# Altium PCB GateDriver_board_pcb.PcbDoc (part 2 of 3)
Units mm, origin at the board's own origin, x right, y up, seen from the top; angles counter-clockwise.
Board outline 138.05 x 67.4 mm, 2 copper layers (Top Layer, Bottom Layer), stack 1.671 mm thick; 340 components, 140 nets, 740 pads, 323 vias.
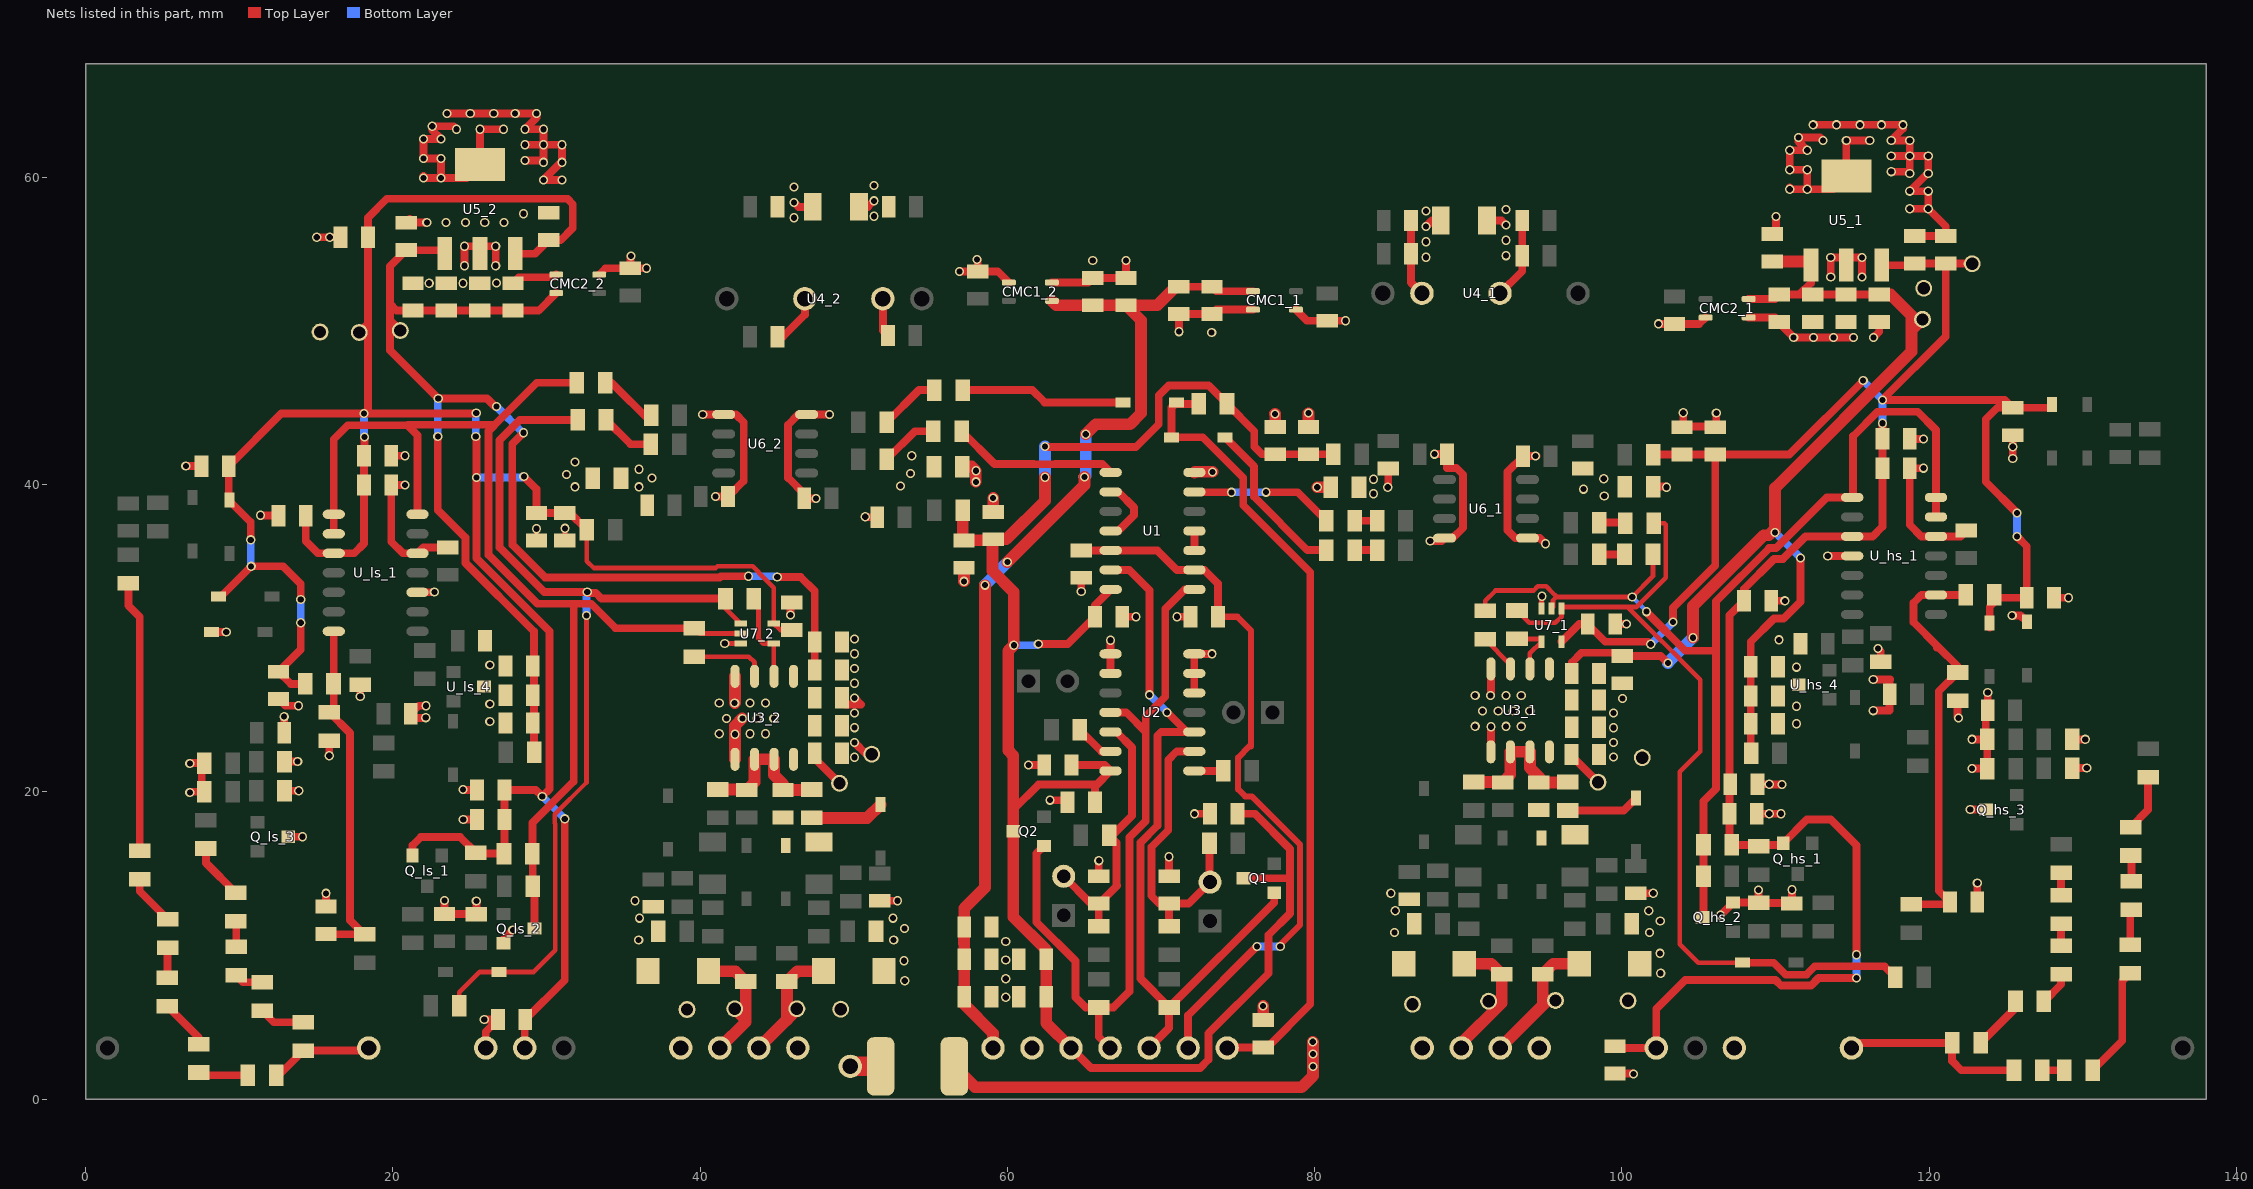
[diagram p2: the nets of this part, all layers, seen from the top]

## Footprints (in the part's own frame and the unit in brackets; to place one, negate y for a bottom-side part, rotate by r counter-clockwise, add the part's x,y. Pads: shape width x height; smd on the part's side, far side on the other; paste and mask are expansions set on the pad) (continued)
"SOIC 8" [mm] "SOIC 8-Leads"
  oval 1.5x0.6 smd: 1(-2.7,1.905) 2(-2.7,0.635) 3(-2.7,-0.635) 4(-2.7,-1.905) 5(2.7,-1.905) 6(2.7,-0.635) 7(2.7,0.635) 8(2.7,1.905)
  silkscreen extent -2.82,-2.45 1.55,2.88, body extent -3,-2.45 3,2.45, height 1.75
"SOIC 14" [mm] "SOIC 8-Leads"
  oval 1.45x0.6 smd: 1(-2.725,3.81) 2(-2.725,2.54) 3(-2.725,1.27) 4(-2.725,0) 5(-2.725,-1.27) 6(-2.725,-2.54) 7(-2.725,-3.81) 8(2.725,-3.81) 9(2.725,-2.54) 10(2.725,-1.27) 11(2.725,0) 12(2.725,1.27) 13(2.725,2.54) 14(2.725,3.81)
  silkscreen extent -2.85,-4.4 1.6,4.78, body extent -3,-4.4 3,4.4, height 1.75
SOT233-4 [mm] "SOT223, 4-Leads (including thermal pad)"
  rect 0.95x2.15 smd: 1(-2.3,-2.9) 2(0,-2.9) 3(2.3,-2.9)
  rect 3.25x2.15 smd: 2(0,2.9)
  silkscreen extent -3.45,-3.02 3.35,1.55, body extent -3.35,-3.5 3.35,3.5, height 1.7
SOT353 [mm] "SOT353, 5-Leads Pitch 0,65mm"
  rect 0.8x0.4 smd: 1(-1.075,0.65) 2(-1.075,0) 3(-1.075,-0.65) 4(1.075,-0.65) 5(1.075,0.65)
  silkscreen extent -1.2,-1.1 0.3,1.53, body extent -1.1,-1.1 1.1,1.1, height 1.1
"SOT 23" [mm] "SOT23, 3-Leads, Body 2.9x1.3mm, Pitch 0.95mm, Lead Span 2.4mm, IPC Medium Density"
  rect 0.9x0.8 smd: 1(-1,0.95) 2(-1,-0.95) 3(1,0)
  silkscreen extent -1.12,-1.46 0.65,2.02, body extent -1.17,-1.46 1.17,1.46, height 1
"Test point" [mm] "Test point pad, to measure with a scope probe without clipper"
  round 1.1 hole 0.8: 1(0,0)

## Part data
BD1: library part Bonding_pad, "Used to connect carry the currents  from the GND logic plane back to the -DC_link plane, which is originated by parasitic capacitive coupling between Halfbridge output and GND plane", PN=none
C1 C2 C3 C4 C5 C6 C7 C8 C9_1 C9_2 C10 C11 C12 C13 C14 C15 C17_1 C17_2 C18_1 C18_2 C19_1 C19_2 C20_1 C20_2 C21_1 C21_2 C22_1 C22_2 C23_1 C23_2 C24_1 C24_2 C25_1 C25_2 C26_1 C26_2 C27_1 C27_2 C28_1 C28_2 C29_1 C29_2 C30_1 C30_2 C31_1 C31_2 C32_1 C32_2 C33_1 C33_2 C34_1 C34_2 C35_1 C35_2 C36_1 C36_2 C37_1 C37_2 C38_1 C38_2 C39_1 C39_2 C40_1 C40_2 C42_1 C42_2 C43_1 C43_2 C44_1 C44_2 C45_1 C45_2 C46_1 C46_2 C47_1 C47_2 C48_1 C48_2 C49_1 C49_2 C_hs_1 C_hs_2 C_hs_3 C_hs_4 C_hs_5 C_hs_6 C_hs_7 C_hs_8 C_hs_9 C_hs_10 C_hs_11 C_hs_12 C_hs_13 C_hs_14 C_hs_15 C_hs_16 C_hs_17 C_hs_18 C_ls_1 C_ls_2 C_ls_3 C_ls_4 C_ls_5 C_ls_6 C_ls_7 C_ls_8 C_ls_9 C_ls_10 C_ls_11 C_ls_12 C_ls_13 C_ls_14 C_ls_15 C_ls_16 C_ls_17 C_ls_18: library part "Capacitor 0805", "SMD ceramic capacitor 0805", PN=undefined
  C8 C9_1 C9_2 C10 C11 C14 C15 C17_1 C17_2 C18_1 C18_2 C19_1 C19_2 C20_1 C20_2 C22_1 C22_2 C23_1 C23_2 C24_1 C24_2 C25_1 C25_2 C26_1 C26_2 C28_1 C28_2 C34_1 C34_2 C35_1 C35_2 C37_1 C37_2 C38_1 C38_2 C39_1 C39_2 C40_1 C40_2 C44_1 C44_2 C46_1 C46_2: ClassName=Direct_plane_connect
  C_hs_1 C_hs_2 C_hs_3 C_hs_13: ClassName=comparator_hs
  C_hs_4 C_hs_17: ClassName=overvoltage_circuitry_hs
  C_hs_5: ClassName=overtemperature_circuitry_hs
  C_hs_6 C_hs_14 C_hs_16: ClassName=memory_latch_hs
  C_hs_7 C_hs_12 C_hs_15: ClassName=overcurrent_circuitry_hs
  C_hs_8 C_hs_9 C_hs_10 C_hs_11: ClassName="voltage_ref_circuitry_hs, Direct_plane_connect"
  C_ls_1 C_ls_2 C_ls_3 C_ls_13: ClassName=comparator_ls
  C_ls_4 C_ls_17: ClassName=overvoltage_circuitry_ls
  C_ls_5: ClassName=overtemperature_circuitry_ls
  C_ls_6 C_ls_14 C_ls_16: ClassName=memory_latch_ls
  C_ls_7 C_ls_12 C_ls_15: ClassName=overcurrent_circuitry_ls
  C_ls_8 C_ls_9 C_ls_10 C_ls_11: ClassName="voltage_ref_circuitry_ls, Direct_plane_connect"
C1_1 C1_2: library part "Capacitor 1206", "SMD ceramic capacitor 1206", ClassName=Direct_plane_connect, PN=undefined
C50: library part "Y Capacitor", "High Voltage Capacitor to filter EMC from heatsink", PN="C1210C104KBRAC7800, C1812C104KDRAC7800"
CMC1_1 CMC1_2 CMC2_1 CMC2_2: "SMD Commom Mode Choke (2A 500 Ohm @ 1MHz or 1.5A 1 kOhm @ 1MHz)", ComponentLink2Description=Datasheet, ComponentLink2URL=http://www.we-online.de/katalog/media/pdf/744862180.pdf, PN="ACP3225-102-2P-T000, ACP3225-501-2P-T000"
D2 D3 D6_1 D6_2 D9_1 D9_2 D_hs_1 D_hs_2 D_hs_3 D_hs_4 D_hs_5 D_ls_1 D_ls_2 D_ls_3 D_ls_4 D_ls_5: "DIODE SCHOTTKY 100V 150MA SOD123", PN=BAT46ZFILM
  D_hs_1 D_hs_2: ClassName=overvoltage_circuitry_hs
  D_hs_3: ClassName=memory_latch_hs
  D_hs_4 D_hs_5: ClassName=overcurrent_circuitry_hs
  D_ls_1 D_ls_2: ClassName=overvoltage_circuitry_ls
  D_ls_3: ClassName=memory_latch_ls
  D_ls_4 D_ls_5: ClassName=overcurrent_circuitry_ls
D5_1 D5_2 D8_1 D8_2: "DIODE SCHOTTKY 40V 1A SOD123", ClassName=Direct_plane_connect, PN=1N5819HW-7-F
D7_1 D7_2 D10_1 D10_2: "TVS DIODE 20V 32.4V", ClassName=Direct_plane_connect, PN=824500201
D_HS D_LS EN ERROR G_HS_1 G_HS_2 G_LS_1 G_LS_2 GND_SENSE_HS GND_SENSE_LS IN_HS IN_LS PW_0 PW_5 PW_12 S_HS_1 S_HS_2 S_LS_1 S_LS_2 V_TEMP_HS V_TEMP_LS VCC_ISO_HS VCC_ISO_LS: "Interconection between gatedriver and main board", System=Connector
  S_HS_1 S_HS_2 S_LS_1 S_LS_2: ClassName=Direct_plane_connect
D_hs_6 D_ls_6: "DIODE ZENER 8.2V 500MW SOD123", PN=BZT52C8V2-7-F
  D_hs_6: ClassName=voltage_ref_circuitry_hs
  D_ls_6: ClassName=voltage_ref_circuitry_ls
FB1_1 FB1_2 FB2_1 FB2_2 FB3_1 FB3_2 FB4_1 FB4_2 FB5_1 FB5_2 FB6_1 FB6_2 FB7_1 FB7_2 FB8_1 FB8_2 FB9_1 FB9_2 FB10_1 FB10_2 FB11_1 FB11_2 FB12_1 FB12_2: library part Ferrite_bead, "Ferrite bead chip 0805", DC resistance=500mO, ComponentLink1Description=CIM21J252NE, ComponentLink1URL=http://www.samsungsem.com/kr/support/product-search/bead/__icsFiles/afieldfile/2014/11/13/S_CIM21J252NE.pdf, ComponentLink2Description=782853152, ComponentLink2URL=http://katalog.we-online.de/pbs/datasheet/782853152.pdf, ComponentLink3Description=742792097, ComponentLink3URL=http://katalog.we-online.de/pbs/datasheet/742792097.pdf, ComponentLink4Description=MMZ2012Y202BT000, ComponentLink4URL=https://product.tdk.com/info/en/catalog/datasheets/beads_commercial_signal_mmz2012_en.pdf, ComponentLink5Description=CIC21J601NE, ComponentLink5URL=http://www.samsungsem.com/kr/support/product-search/bead/__icsFiles/afieldfile/2014/11/13/S_CIC21J601NE.pdf, ComponentLink6Description=MI0805J102R-10, ComponentLink6URL=https://assets.lairdtech.com/home/brandworld/files/MI0805J102R-10.pdf, ComponentLink7Description=CIM21J202NE, ComponentLink7URL=http://www.samsungsem.com/kr/support/product-search/bead/__icsFiles/afieldfile/2014/11/13/S_CIM21J202NE.pdf, PN="CIM21J252NE; 782853152; 742792097; MMZ2012Y202BT000; CIC21J601NE;  MI0805J102R-10; CIM21J202NE;"
  FB7_1 FB7_2 FB8_1 FB8_2: ClassName=Direct_plane_connect
FIX1 FIX2: "Mount Hole, to interface MainBoard with GatedriverBoard or MainBoard with heatsink", PN=none
P1 P3 P4 P6: "Header 2.54mm 2 pins", PN=?
  P1: Jumper_text="Close to disable HS deadtime"
  P4: Jumper_text="Close to disable LS deadtime"
Q1 Q2 Q_hs_2 Q_ls_2: library part BC847BLT1G, "General Purpose Transistor, NPN Silicon, 3-Pin SOT-23, Pb-Free, Tape and Reel", PN=BC847BLT1G
  Q_hs_2: ClassName=memory_latch_hs
  Q_ls_2: ClassName=memory_latch_ls
Q_hs_1 Q_hs_3 Q_ls_1 Q_ls_3: library part BC857BLT1G, "General Purpose Transistor, PNP Silicon, 3-Pin SOT-23, Pb-Free, Tape and Reel", PN=BC857BLT1G
  Q_hs_1: ClassName=memory_latch_hs
  Q_hs_3: ClassName=overcurrent_circuitry_hs
  Q_ls_1: ClassName=memory_latch_ls
  Q_ls_3: ClassName=overcurrent_circuitry_ls
R1 R2 R3_1 R3_2 R4 R5 R6 R7 R8 R9_1 R9_2 R10 R11 R12_1 R12_2 R14_1 R14_2 R15_1 R15_2 R16_1 R16_2 R18_1 R18_2 R19_1 R19_2 R20_1 R20_2 R21_1 R21_2 R22_1 R22_2 R23_1 R23_2 R_hs_1 R_hs_2 R_hs_3 R_hs_4 R_hs_5 R_hs_6 R_hs_7 R_hs_8 R_hs_9 R_hs_10 R_hs_11 R_hs_12 R_hs_13 R_hs_14 R_hs_15 R_hs_16 R_hs_17 R_hs_18 R_hs_19 R_hs_20 R_hs_21 R_hs_22 R_hs_23 R_hs_24 R_hs_25 R_hs_26 R_hs_27 R_hs_28 R_hs_29 R_ls_1 R_ls_2 R_ls_3 R_ls_4 R_ls_5 R_ls_6 R_ls_7 R_ls_8 R_ls_9 R_ls_10 R_ls_11 R_ls_12 R_ls_13 R_ls_14 R_ls_15 R_ls_16 R_ls_17 R_ls_18 R_ls_19 R_ls_20 R_ls_21 R_ls_22 R_ls_23 R_ls_24 R_ls_25 R_ls_26 R_ls_27 R_ls_28 R_ls_29: "SMD resistor 0805", PN=undefined
  R12_1 R12_2 R14_1 R14_2 R15_1 R15_2 R16_1 R16_2 R19_1 R19_2: ClassName=Direct_plane_connect
  R_hs_1 R_hs_9 R_hs_10 R_hs_13 R_hs_14: ClassName=memory_latch_hs
  R_hs_2 R_hs_3 R_hs_4 R_hs_5 R_hs_6 R_hs_7 R_hs_8: ClassName=overvoltage_circuitry_hs
  R_hs_11: ClassName=overtemperature_circuitry_hs
  R_hs_15 R_hs_16 R_hs_17 R_hs_18 R_hs_19 R_hs_20 R_hs_21 R_hs_22 R_hs_23 R_hs_24 R_hs_26 R_hs_27 R_hs_28: ClassName=overcurrent_circuitry_hs
  R_hs_25: ClassName="voltage_ref_circuitry_hs, Direct_plane_connect"
  R_ls_1 R_ls_9 R_ls_10 R_ls_13 R_ls_14: ClassName=memory_latch_ls
  R_ls_2 R_ls_3 R_ls_4 R_ls_5 R_ls_6 R_ls_7 R_ls_8: ClassName=overvoltage_circuitry_ls
  R_ls_11: ClassName=overtemperature_circuitry_ls
  R_ls_15 R_ls_16 R_ls_17 R_ls_18 R_ls_19 R_ls_20 R_ls_21 R_ls_22 R_ls_23 R_ls_24 R_ls_26 R_ls_27 R_ls_28: ClassName=overcurrent_circuitry_ls
  R_ls_25: ClassName=voltage_ref_circuitry_ls
R13_1 R13_2 R17_1 R17_2: library part "Resistor 1206", "SMD resistor 1206", ClassName=Direct_plane_connect, PN=undefined
TP1_1 TP1_2 TP2_1 TP2_2 TP3_1 TP3_2 TP4_1 TP4_2 TP5_1 TP5_2 TP6_1 TP6_2 TP7_1 TP7_2 TP8_1 TP8_2 TP10_1 TP10_2: library part "Test point", "Test point to probe with oscilloscope"
  TP1_1 TP1_2: ClassName=Direct_plane_connect, Signal_name=12V
  TP2_1 TP2_2: ClassName=Direct_plane_connect, Signal_name=GND
  TP3_1 TP3_2: ClassName=Direct_plane_connect, Signal_name=G1
  TP4_1 TP4_2: ClassName=Direct_plane_connect, Signal_name=S1
  TP5_1 TP5_2: ClassName=Direct_plane_connect, Signal_name=G2
  TP6_1 TP6_2: ClassName=Direct_plane_connect, Signal_name=S2
  TP7_1 TP7_2: Signal_name=5V
  TP8_1 TP8_2: Signal_name=12V
  TP10_1 TP10_2: ClassName=Direct_plane_connect, Signal_name=0V
U1: "Quadruple 2-Input Positive-AND Gates", ComponentLink2Description=Datasheet, ComponentLink2URL=http://www.ti.com/lit/ds/symlink/sn74hc08.pdf, PN=MC74HC08ADG
U2: "Logic Quad 2-Input NOR Gates", ComponentLink2Description=Datasheet, ComponentLink2URL=http://www.ti.com/lit/ds/symlink/cd74hc02.pdf, PN=MC74HC02ADG
U3_1 U3_2: library part MCP14A0602, "MOSFET DRIVER 6A 8SOIC", ClassName=Direct_plane_connect, PN=MCP14A0602-E/SN
U4_1 U4_2: library part RE-1215S/P, "Isolated DC/DC converter 1W 12VIN 15VOUT", ComponentLink1Description=Datasheet, ComponentLink1URL=https://www.recom-power.com/pdf/Econoline/RE.pdf, PN=RE-1215S/P
U5_1 U5_2: library part UA78M05CDCYR, "IC REG LINEAR 5V 500MA SOT223-4", ComponentLink1Description=Datasheet, ComponentLink1URL=http://www.ti.com/general/docs/lit/getliterature.tsp?genericPartNumber=UA78L05A&fileType=pdf, ComponentLink2Description="Package Specification", ComponentLink2URL=http://www.ti.com/litv/pdf/msot002a, ComponentLink3Description="URL Link1", ComponentLink3URL="Samples URL:http://www.ti.com/product/ua78l05a", PN=UA78M05CDCY
U6_1 U6_2: "Digital Isolator 2.5KV, general purpose 8SOIC", ComponentLink1Description=Datasheet, ComponentLink1URL=https://media.digikey.com/pdf/Data%20Sheets/Silicon%20Laboratories%20PDFs/Si8410_20_21_Rev_1.5.pdf, PN=SI8621AB-B-IS
U7_1 U7_2: library part 74AHCT1G08, "Single AND gate, package SOT353", PN=74AHCT1G08
U_hs_1 U_ls_1: library part LM339, "Low Power Low Offset Voltage Quad Comparator, 14-pin Narrow SOIC", PN=LM339DT
  U_hs_1: ClassName=comparator_hs
  U_ls_1: ClassName=comparator_ls
U_hs_4 U_ls_4: "IC VREF SHUNT ADJ SOT23-3", ComponentLink1Description="Manufacturer URL", ComponentLink1URL=http://www.ti.com/, ComponentLink2Description=Datasheet, ComponentLink2URL=http://www.ti.com/general/docs/lit/getliterature.tsp?genericPartNumber=TL431A&fileType=pdf, Parameter 2=TL431A, PN=TL431AMFDT\,215
  U_hs_4: ClassName="voltage_ref_circuitry_hs, Direct_plane_connect"
  U_ls_4: ClassName=voltage_ref_circuitry_ls

## Via types
v1: diameter 0.6, hole 0.4, Top Layer to Bottom Layer, tented both sides, 323 vias

## Nets (pads, with @x,y where several pads share a name; then routed paths per layer and width w, separated by ;. In a path a pad name is that pad's centre, name@x,y a point inside that pad or via, vN(x,y) a via of type N, cw(c..) or ccw(c..) an arc to the next point about the centre after c; other vN are vias at no path point)
5V_1: C21_1.1 C32_1.1 C33_1.1 C48_1.1 C49_1.1 C_hs_1.1 C_hs_2.1 C_hs_3.1 C_hs_14.1 C_hs_15.1 C_hs_16.1 C_hs_17.1 C_hs_18.1 D_hs_1.2 D_hs_4.2 FB6_1.2 Q_hs_1.2 R_hs_1.2 R_hs_9.2 R_hs_26.2 TP7_1.1 U5_1.3 U7_1.5 U_hs_1.3 VCC_ISO_HS.1 | length 158.7
  Top Layer w0.508: U7_1.5@96.075,29.775 97.225,30.925 C21_1.1@97.785,30.925 97.785,30.913 98.926,29.773 101.709,29.773 v1(101.88,29.601) ; C_hs_18.1@99.55,3.44 99.665,3.325 VCC_ISO_HS.1@102.245,3.325 102.245,5.865 104.132,7.752 110,7.752 110.371,7.382 112.309,7.382 112.803,7.875 v1(115.281,7.875) ; FB6_1.2@102.047,41.951 C49_1.1@103.916,41.951 C48_1.1@106.075,41.951 ; v1(103.325,31.05) 103.325,31.975 106.075,34.725 C48_1.1@106.075,41.951 ; R_hs_9.2@108.909,16.45 R_hs_9.2@108.909,16.541 ; v1(115.275,9.395) 115.275,16.525 113.6,18.2 112.047,18.2 Q_hs_1.2@110.499,16.652 110.388,16.541 R_hs_9.2@108.909,16.541 ; v1(115.707,46.764) 110.894,41.951 C48_1.1@106.075,41.951 ; U5_1.3@116.926,54.292 116.948,54.27 C33_1.1@119.071,54.27 ; v1(116.959,43.986) C_hs_2.1@116.959,42.971 C_hs_3.1@116.959,41.066 116.959,37.255 116.325,36.621 U_hs_1.3@114.997,36.621 111.952,36.621 110.484,35.153 109.904,35.153 107.942,33.191 C_hs_1.1@107.942,32.43 107.003,31.491 C_hs_16.1@107.003,18.573 107.003,16.705 R_hs_1.2@107.167,16.541 R_hs_9.2@108.909,16.541 ; C33_1.1@119.071,54.397 C32_1.1@121.09,54.397 ; TP7_1.1@122.8,54.375 122.778,54.397 C32_1.1@121.09,54.397 ; D_hs_4.2@123.945,30.686 D_hs_4.2@123.945,30.995 123.945,32.049 124.525,32.629 C_hs_15.1@126.357,32.629 126.357,35.987 v1(125.723,36.621) ; v1(125.723,38.145) 123.691,40.177 123.691,44.241 124.443,44.993 C_hs_17.1@125.442,44.993 ; D_hs_1.2@128.009,45.219 127.783,44.993 C_hs_17.1@125.442,44.993 ; C32_1.1@121.09,54.397 121.09,49.641 v1(116.96,45.511) 124.924,45.511 C_hs_17.1@125.442,44.993
  Bottom Layer w0.508: v1(101.88,29.601) 101.891,29.601 103.325,31.035 v1(103.325,31.05) ; v1(115.275,9.395) 115.275,7.881 v1(115.281,7.875) ; v1(115.707,46.764) v1(116.96,45.511) ; v1(116.959,43.986) v1@116.959,45.51 ; v1(125.723,36.621) v1(125.723,38.145) ; v1@116.959,45.51 v1(116.96,45.511)
5V_2: C21_2.1 C32_2.1 C33_2.1 C48_2.1 C49_2.1 C_ls_1.1 C_ls_2.1 C_ls_3.1 C_ls_14.1 C_ls_15.1 C_ls_16.1 C_ls_17.1 C_ls_18.1 D_ls_1.2 D_ls_4.2 FB6_2.2 Q_ls_1.2 R_ls_1.2 R_ls_9.2 R_ls_26.2 TP7_2.1 U5_2.3 U7_2.5 U_ls_1.3 VCC_ISO_LS.1 | length 175.4
  Top Layer w0.305: FB6_2.2@32.625,37.05 32.625,35.017 33.075,34.567 41.022,34.567 41.138,34.682 43.424,34.682 43.808,34.298 43.808,34.265 44.8,33.273 U7_2.5@44.8,30.95 45.215,30.535 C21_2.1@45.975,30.535
  Top Layer w0.508: D_ls_4.2@8.645,32.725 8.825,32.725 v1(10.775,34.675) 12.85,34.675 14,33.525 v1(14,32.525) ; v1(10.75,36.4) 10.75,37.554 9.36,38.944 D_ls_1.2@9.36,38.992 9.315,39.037 C_ls_17.1@9.315,41.2 12.74,44.625 v1(18.125,44.625) ; v1(14.002,31.003) 14.002,29.257 C_ls_15.1@12.56,27.815 13.35,27.025 R_ls_26.2@14.285,27.025 ; C_ls_1.1@14.33,37.975 14.33,36.32 15.126,35.524 U_ls_1.3@16.154,35.524 17.482,35.524 18.116,36.158 C_ls_3.1@18.116,39.969 C_ls_2.1@18.116,41.874 18.15,41.908 v1(18.15,43.1) ; TP7_2.1@17.812,49.9 18.377,50.465 ; Q_ls_1.2@21.285,15.85 21.285,16.525 21.81,17.05 24.385,17.05 R_ls_9.2@25.41,16.025 25.46,15.975 R_ls_1.2@27.235,15.975 27.258,15.998 C_ls_14.1@27.258,18.2 C_ls_16.1@27.258,20.119 29.306,20.119 v1(29.725,19.7) 30.2,20.175 30.2,30.444 25.441,35.203 25.441,43.084 v1(25.4,43.125) ; v1@25.428,44.675 25.374,44.622 18.128,44.622 v1(18.125,44.625) ; U5_2.3@27.975,55.025 29.252,55.025 C33_2.1@30.137,55.91 30.922,55.91 31.712,56.7 31.712,58.25 31.365,58.597 19.609,58.597 18.377,57.365 C32_2.1@18.377,56.1 18.377,50.465 ; v1(28.525,40.525) 29.35,39.7 C48_2.1@29.35,38.14 31.13,38.14 31.2,38.21 31.465,38.21 FB6_2.2@32.625,37.05 ; VCC_ISO_LS.1@28.585,3.325 28.585,5.103 cw(c28.687,5.103) C_ls_18.1@28.615,5.175 28.625,5.175 31.19,7.74 v1(31.19,18.24) ; v1(18.125,44.625) 18.377,44.877 18.377,50.465
  Bottom Layer w0.508: v1(10.75,36.4) 10.75,34.7 v1(10.775,34.675) ; v1(14,32.525) 14.002,32.523 v1(14.002,31.003) ; v1(18.125,44.625) 18.125,43.125 v1(18.15,43.1) ; v1(25.4,43.125) 25.4,44.626 v1(25.428,44.654) ; v1(25.453,40.454) 28.454,40.454 v1(28.525,40.525) ; v1(29.725,19.7) 31.185,18.24 v1(31.19,18.24)
12V_iso: C9_2.1 C17_2.1 C18_2.1 C19_2.1 C20_2.1 C31_2.1 C37_2.1 C38_2.1 C39_2.1 C40_2.1 C_ls_8.1 C_ls_9.1 C_ls_10.1 CMC2_2.4 R_ls_25.2 TP1_2.1 TP8_2.1 U3_2.1 U3_2.8 U5_2.1 | length 94.9
  Top Layer w0.508: TP8_2.1@20.487,50.025 19.812,50.7 ; v1(22.927,43.129) 22.927,38.348 24.73,36.545 24.73,34.895 29.181,30.444 29.181,22.596 R_ls_25.2@29.206,22.571 ; U5_2.1@23.375,55.025 23.143,55.257 C31_2.1@20.862,55.257 19.812,54.207 19.812,51.75 ; v1(26.75,45.075) 26.65,45.075 26.125,45.6 v1(22.95,45.6) 19.812,48.738 19.812,50.7 ; v1(28.5,43.375) 27.768,42.643 27.768,40.211 27.789,40.19 27.789,36.071 29.903,33.957 41.275,33.957 41.344,34.027 v1(43.152,34.027) ; CMC2_2.4@30.634,52.465 29.489,51.32 C40_2.1@27.821,51.32 C39_2.1@25.652,51.32 C38_2.1@23.483,51.32 C37_2.1@21.314,51.32 20.242,51.32 19.812,51.75 ; v1(45.025,33.975) 46.55,33.975 47.46,33.065 C17_2.1@47.46,29.75 C20_2.1@47.46,27.925 ; C19_2.1@47.46,22.5 47.46,22.165 TP1_2.1@49.075,20.55 ; 19.812,50.7 19.812,51.75
  Bottom Layer w0.508: v1(22.927,43.129) 22.927,45.577 v1(22.95,45.6) ; v1(26.75,45.075) 28.45,43.375 v1(28.5,43.375) ; v1(43.152,34.027) 44.973,34.027 v1(45.025,33.975)
12V_iso_1: C9_1.1 C17_1.1 C18_1.1 C19_1.1 C20_1.1 C31_1.1 C37_1.1 C38_1.1 C39_1.1 C40_1.1 C_hs_8.1 C_hs_9.1 C_hs_10.1 CMC2_1.4 R_hs_25.2 TP1_1.1 TP8_1.1 U3_1.1 U3_1.8 U5_1.1 | length 73.5
  Top Layer w0.508: C17_1.1@96.725,22.425 96.725,22.35 TP1_1.1@98.45,20.625 ; C9_1.1@96.735,27.7 96.735,28.41 97.375,29.05 99.815,29.05 C18_1.1@100.025,28.84 102.535,28.84 v1(103,28.375) ; CMC2_1.4@108.253,52.077 109.962,52.077 C37_1.1@110.252,52.367 111.566,52.367 ; R_hs_25.2@108.415,22.524 108.39,22.549 C_hs_10.1@108.39,24.429 C_hs_8.1@108.39,26.232 C_hs_9.1@108.39,28.137 108.39,29.765 109.903,31.278 110.529,31.278 111.626,32.375 v1(111.626,35.224) ; U5_1.1@112.326,54.292 112.326,53.127 111.566,52.367 ; C40_1.1@116.759,52.367 C39_1.1@114.59,52.367 C38_1.1@112.421,52.367 111.566,52.367
  Top Layer w0.762: v1(104.625,30.025) 104.625,32.09 109.237,36.702 109.554,36.702 v1@109.975,37.123 ; C31_1.1@109.8,54.524 112.081,54.524 U5_1.1@112.313,54.292 ; v1@109.918,36.932 109.975,36.99 v1@109.975,37.123 ; C40_1.1@116.759,52.367 117.508,52.367 118.85,51.025 118.85,50.025 ; TP8_1.1@119.575,50.75 118.85,50.025 ; v1@109.975,37.123 109.975,39.776 118.85,48.651 118.85,50.025
  Bottom Layer w0.508: v1(109.975,36.875) v1(111.626,35.224)
  Bottom Layer w0.762: v1(103,28.375) 103,28.4 v1(104.625,30.025)
+5V: C1.1 C2.1 C12.1 C13.1 C14.1 C15.1 C42_1.1 C42_2.1 C43_1.1 C43_2.1 FB5_1.1 FB5_2.1 PW_5.1 Q1.3 Q2.3 R6.2 U1.14 U2.14 | length 123.8
  Top Layer w0.508: FB5_2.1@57.1,38.336 FB5_2.1@57.1,38.336 ; 60.383,18.826 62.036,20.479 65.837,20.479 ; v1(62.018,29.614) 62.023,29.619 63.927,29.619 C1.1@65.7,31.392 65.7,32.142 U1.14@66.728,33.17 ; v1(62.45,42.475) 62.488,42.437 68.362,42.437 69.85,43.925 69.85,45.8 70.5,46.45 73.1,46.45 R6.2@74.3,45.25 76.075,43.475 76.075,42.475 76.574,41.976 C43_1.1@77.443,41.976 C42_1.1@79.602,41.976 FB5_1.1@81.217,41.976 ; PW_5.1@64.145,3.325 65.445,2.025 72.55,2.025 73.086,2.561 73.086,4.261 77.009,8.184 77.009,10.686 78.401,12.078 78.401,14.374 ; C2.1@64.178,21.74 66.336,21.74 U2.14@66.717,21.359 65.837,20.479 ; C12.1@65.702,19.327 65.702,20.344 65.837,20.479 ; C13.1@74.973,18.565 76.115,18.565 78.401,16.279 78.401,14.374 ; Q1.3@75.369,14.374 78.401,14.374
  Top Layer w0.762: C42_2.1@57.1,36.409 FB5_2.1@57.1,38.336 ; C42_2.1@57.175,36.368 59.008,36.368 C43_2.1@59.035,36.395 ; v1(62.45,40.475) 62.45,38.95 59.935,36.435 C43_2.1@59.075,36.435 C43_2.1@59.035,36.395 ; PW_5.1@64.145,3.325 62.527,4.943 C14.1@62.527,6.652 C15.1@62.527,9.099 62.527,9.705 60.383,11.849 Q2.3@60.383,17.422 60.383,18.826 60.383,22.359 60.049,22.693 60.049,29.169 v1(60.423,29.543) 60.423,33.002 59.035,34.39 C43_2.1@59.035,36.395
  Bottom Layer w0.508: v1(60.423,29.543) 61.947,29.543 v1(62.018,29.614)
  Bottom Layer w0.762: v1(62.45,40.475) v1(62.45,42.475)
+12V: C8.1 C10.1 C11.1 C29_1.1 C29_2.1 C30_1.1 C30_2.1 CMC1_1.1 CMC1_2.1 PW_12.1 | length 69.5
  Top Layer w0.508: C29_1.1@71.166,52.875 C30_1.1@73.325,52.875 73.615,52.585 CMC1_1.1@75.989,52.585